# KiCad board Infernum.kicad_pcb
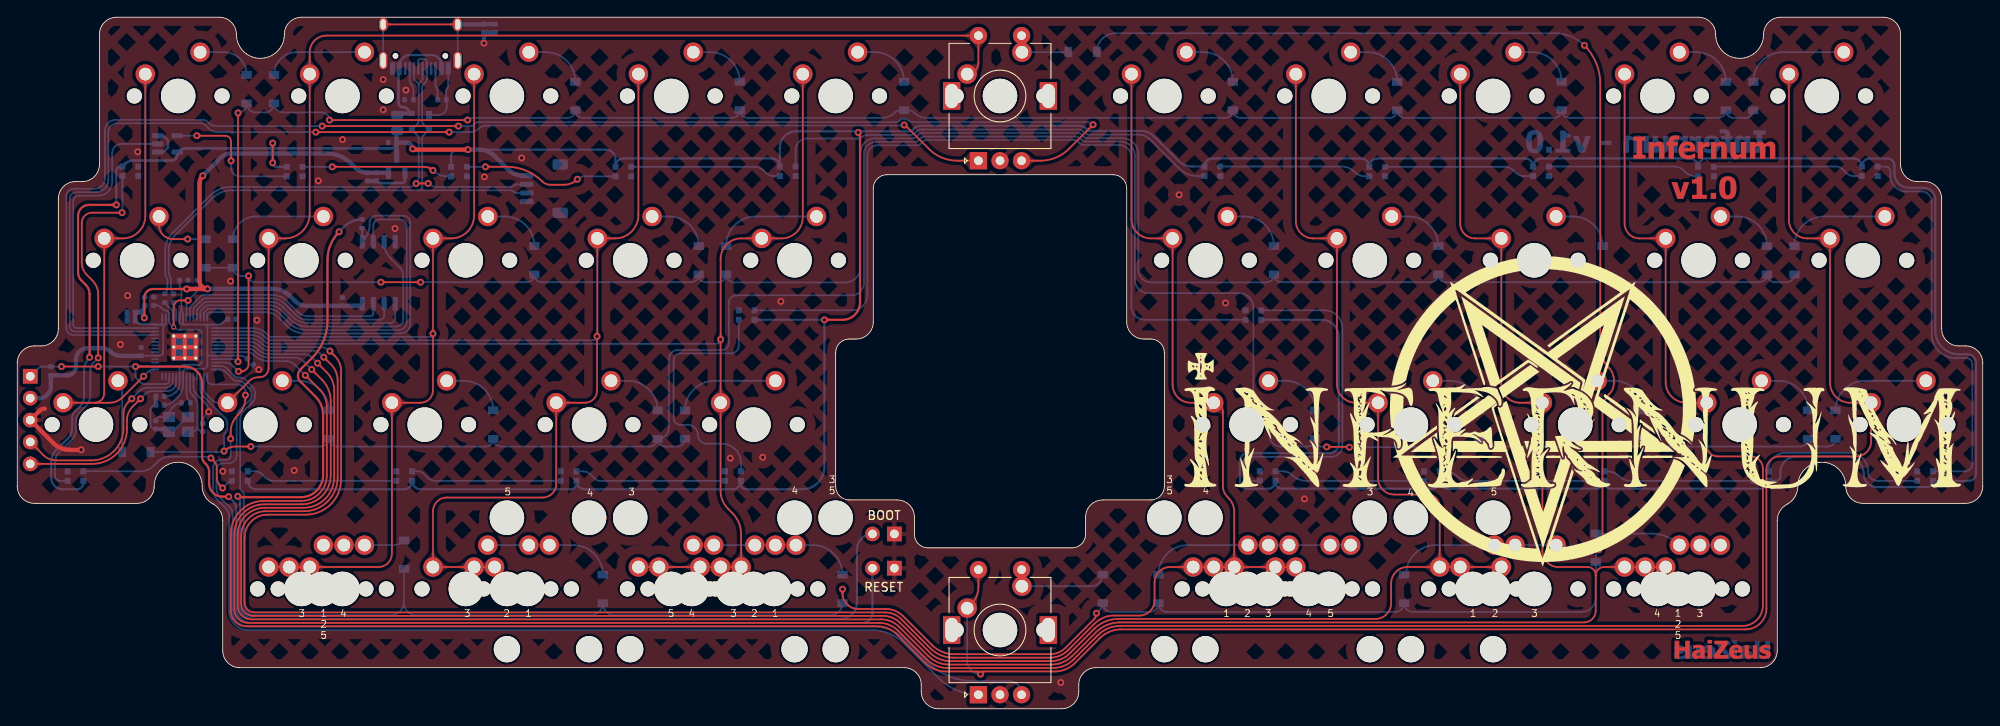
[diagram p0: board, top side]
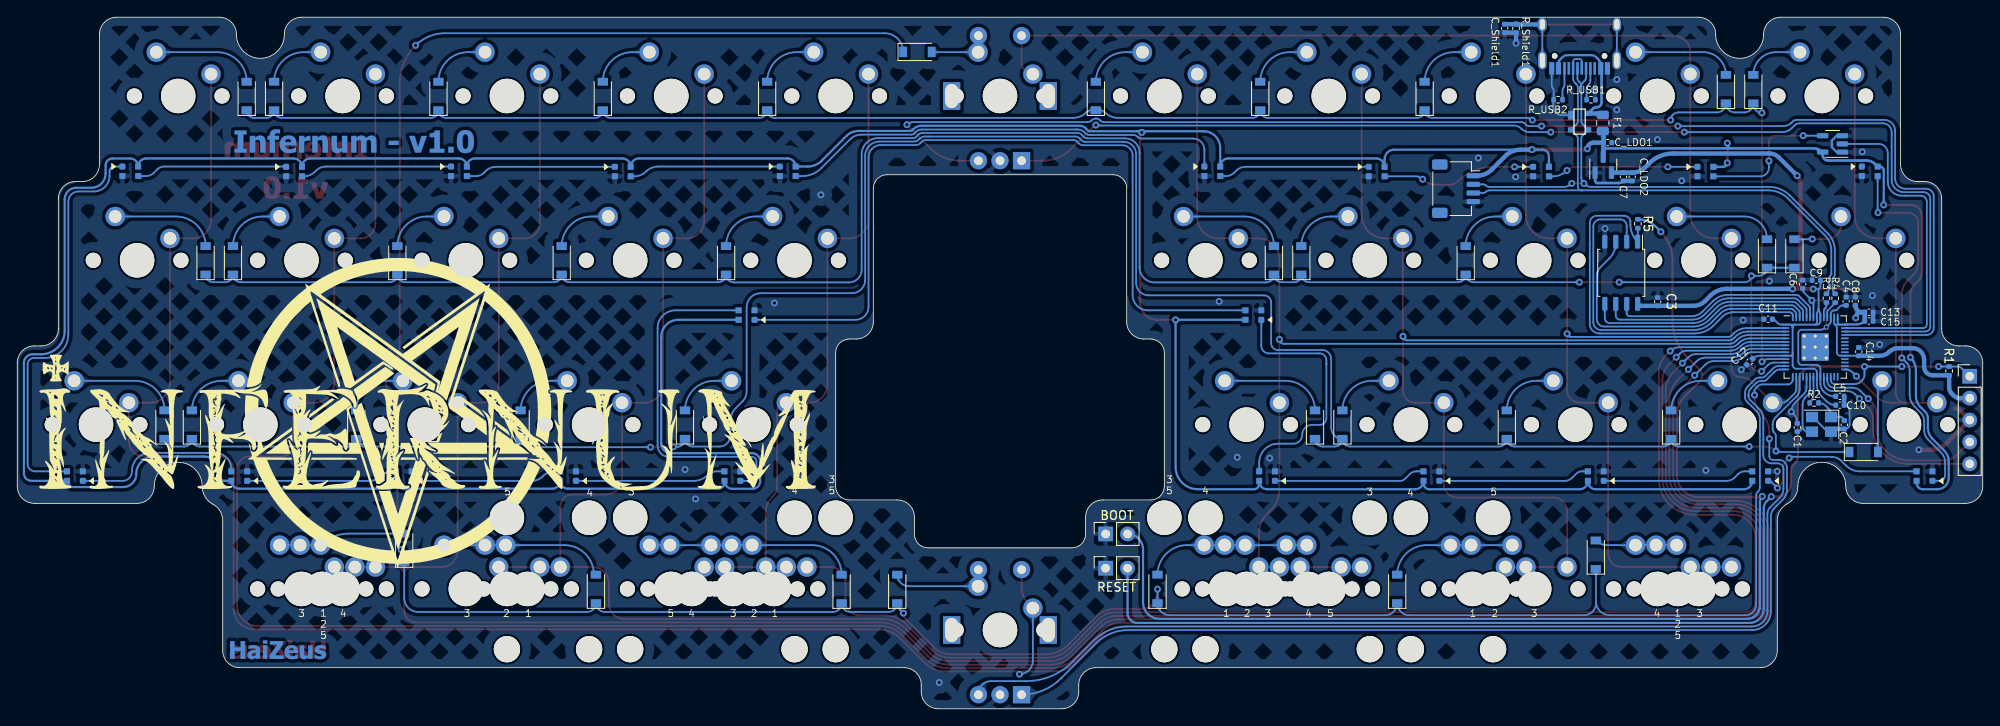
[diagram p1: board, bottom side, seen from below]

Outline 227.81 x 80.17 mm; copper layers: Top, Bottom. Coordinates in mm from the lower left corner of the outline.
Outline path: 0,40.08 arc(0.58,41.49) 1.98,42.07 2.78,42.07 arc(4.18,42.65) 4.76,44.05 4.76,59.13 arc(5.34,60.54) 6.75,61.12 7.54,61.12 arc(8.94,61.7) 9.52,63.1 9.52,78.18 arc(10.11,79.59) 11.51,80.17 23.42,80.17 arc(24.82,79.59) 25.4,78.18 arc(28.18,75.41) 30.96,78.18 arc(31.54,79.59) 32.94,80.17 194.87,80.17 arc(196.27,79.59) 196.85,78.18 arc(199.63,75.41) 202.41,78.18 arc(202.99,79.59) 204.39,80.17 216.3,80.17 arc(217.7,79.59) 218.28,78.18 218.28,63.1 arc(218.86,61.7) 220.27,61.12 221.06,61.12 arc(222.46,60.54) 223.04,59.13 223.04,44.05 arc(223.62,42.65) 225.03,42.07 225.82,42.07 arc(227.23,41.49) 227.81,40.08 227.81,25.8 arc(227.23,24.39) 225.82,23.81 213.92,23.81 arc(212.51,24.39) 211.93,25.8 arc(209.15,28.57) 206.38,25.8 arc(206.05,24.59) 205.15,23.72 arc(204.3,22.93) 203.99,21.83 203.99,6.75 arc(203.41,5.34) 202.01,4.76 125.02,4.76 arc(123.61,4.18) 123.03,2.78 123.03,1.98 arc(122.45,0.58) 121.05,0 106.76,0 arc(105.36,0.58) 104.78,1.98 104.78,2.78 arc(104.19,4.18) 102.79,4.76 25.8,4.76 arc(24.39,5.34) 23.81,6.75 23.81,21.83 arc(23.53,22.91) 22.75,23.72 arc(21.79,24.57) 21.43,25.8 arc(18.65,28.57) 15.88,25.8 arc(15.29,24.39) 13.89,23.81 1.98,23.81 arc(0.58,24.39) 0,25.8 0,40.08 ; 94.85,41.27 94.85,25.8 arc(95.32,24.67) 96.44,24.21 102,24.21 arc(103.4,23.63) 103.98,22.22 103.98,20.24 arc(104.45,19.12) 105.57,18.65 122.24,18.65 arc(123.36,19.12) 123.83,20.24 123.83,22.22 arc(124.41,23.63) 125.81,24.21 131.37,24.21 arc(132.49,24.67) 132.95,25.8 132.95,41.27 arc(132.49,42.4) 131.37,42.86 130.57,42.86 arc(129.17,43.44) 128.59,44.85 128.59,60.32 arc(128.12,61.45) 127,61.91 100.81,61.91 arc(99.68,61.45) 99.22,60.32 99.22,44.85 arc(98.64,43.44) 97.23,42.86 96.44,42.86 arc(95.32,42.4) 94.85,41.27
Stack: Top 0.035mm / dielectric 1.51mm FR4 er 4.5 / Bottom 0.035mm

## Placement (name value [footprint] x y rotation side)
C1  22pF  [C_0402_1005Metric]  21.5 32.61 270 bottom
C2  22pF  [C_0402_1005Metric]  16.04 32.92 90 bottom
C3  100nF  [C_0402_1005Metric]  37.68 47.19 90 bottom
C4  1uF  [C_0402_1005Metric]  15.83 47.24 90 bottom
C5  100nF  [C_0402_1005Metric]  16.54 36.22 180 bottom
C6  100nF  [C_0402_1005Metric]  20.87 49.22 90 bottom
C7  10uF  [C_0402_1005Metric]  41.65 61.67 270 bottom
C8  1uF  [C_0402_1005Metric]  14.77 47.24 90 bottom
C9  100nF  [C_0402_1005Metric]  19.29 49.68 0 bottom
C10  100nF  [C_0402_1005Metric]  16.55 35.2 180 bottom
C11  100nF  [C_0402_1005Metric]  24.88 45.16 0 bottom
C12  100nF  [C_0402_1005Metric]  27.02 40.23 315 bottom
C13  100nF  [C_0402_1005Metric]  13.19 45.97 180 bottom
C14  100nF  [C_0402_1005Metric]  14.37 41.4 90 bottom
C15  100nF  [C_0402_1005Metric]  13.19 44.95 180 bottom
C_LDO1  1uF  [C_0402_1005Metric]  43.48 65.63 180 bottom
C_LDO2  1uF  [C_0402_1005Metric]  40.63 61.67 270 bottom
C_Shield1  4.7n  [C_0402_1005Metric]  55.41 78.89 90 bottom
D1  SOD-123  [D_SOD-123]  26.59 71.83 90 bottom
D2  SOD-123  [D_SOD-123]  29.77 71.83 90 bottom
D3  SOD-123  [D_SOD-123]  64.69 71.04 90 bottom
D4  SOD-123  [D_SOD-123]  83.74 71.04 90 bottom
D5  SOD-123  [D_SOD-123]  102.79 71.04 90 bottom
D6  SOD-123  [D_SOD-123]  123.47 76.15 180 bottom
D7  SOD-123  [D_SOD-123]  140.89 71.04 90 bottom
D8  SOD-123  [D_SOD-123]  159.94 71.04 90 bottom
D9  SOD-123  [D_SOD-123]  178.99 71.04 90 bottom
D10  SOD-123  [D_SOD-123]  198.04 71.04 90 bottom
D11  SOD-123  [D_SOD-123]  201.22 71.04 90 bottom
D12  SOD-123  [D_SOD-123]  21.83 52.78 90 bottom
D13  SOD-123  [D_SOD-123]  25 52.78 90 bottom
D14  SOD-123  [D_SOD-123]  59.93 51.99 90 bottom
D15  SOD-123  [D_SOD-123]  78.98 51.99 90 bottom
D16  SOD-123  [D_SOD-123]  82.15 51.99 90 bottom
D17  SOD-123  [D_SOD-123]  145.65 51.99 90 bottom
D18  SOD-123  [D_SOD-123]  164.7 51.99 90 bottom
D19  SOD-123  [D_SOD-123]  183.75 51.99 90 bottom
D20  SOD-123  [D_SOD-123]  202.8 51.99 90 bottom
D21  SOD-123  [D_SOD-123]  205.98 51.99 90 bottom
D22  SOD-123  [D_SOD-123]  13.8 29.77 180 bottom
D23  SOD-123  [D_SOD-123]  36.12 32.94 90 bottom
D24  SOD-123  [D_SOD-123]  55.17 32.94 90 bottom
D25  SOD-123  [D_SOD-123]  74.22 32.94 90 bottom
D26  SOD-123  [D_SOD-123]  77.39 32.94 90 bottom
D27  SOD-123  [D_SOD-123]  150.42 32.94 90 bottom
D28  SOD-123  [D_SOD-123]  169.47 32.94 90 bottom
D29  SOD-123  [D_SOD-123]  188.52 32.94 90 bottom
D30  SOD-123  [D_SOD-123]  207.57 32.94 90 bottom
D31  SOD-123  [D_SOD-123]  210.74 32.94 90 bottom
D32  SOD-123  [D_SOD-123]  44.85 17.86 90 bottom
D33  SOD-123  [D_SOD-123]  67.87 13.89 90 bottom
D34  SOD-123  [D_SOD-123]  95.65 13.89 90 bottom
D35  SOD-123  [D_SOD-123]  125.81 13.89 90 bottom
D36  SOD-123  [D_SOD-123]  132.26 13.89 90 bottom
D37  SOD-123  [D_SOD-123]  160.73 13.89 90 bottom
D38  SOD-123  [D_SOD-123]  182.96 18.65 90 bottom
D39  WS2812B-2020  [LED_WS2812_2020]  51.2 62.28 0 bottom
D40  WS2812B-2020  [LED_WS2812_2020]  89.3 62.31 0 bottom
D41  WS2812B-2020  [LED_WS2812_2020]  138.51 62.31 0 bottom
D42  WS2812B-2020  [LED_WS2812_2020]  176.61 62.31 0 bottom
D43  WS2812B-2020  [LED_WS2812_2020]  214.71 62.31 0 bottom
D44  WS2812B-2020  [LED_WS2812_2020]  221.12 26.97 180 bottom
D45  WS2812B-2020  [LED_WS2812_2020]  143.27 45.64 180 bottom
D46  WS2812B-2020  [LED_WS2812_2020]  183.02 26.97 180 bottom
D47  WS2812B-2020  [LED_WS2812_2020]  32.15 62.28 0 bottom
D48  WS2812B-2020  [LED_WS2812_2020]  144.92 26.97 180 bottom
D49  WS2812B-2020  [LED_WS2812_2020]  84.53 45.64 180 bottom
D50  WS2812B-2020  [LED_WS2812_2020]  70.25 62.28 0 bottom
D51  WS2812B-2020  [LED_WS2812_2020]  13.1 62.31 0 bottom
D52  WS2812B-2020  [LED_WS2812_2020]  6.75 26.97 180 bottom
D53  WS2812B-2020  [LED_WS2812_2020]  44.85 26.97 180 bottom
D54  WS2812B-2020  [LED_WS2812_2020]  82.95 26.97 180 bottom
D55  WS2812B-2020  [LED_WS2812_2020]  157.62 62.28 0 bottom
D56  WS2812B-2020  [LED_WS2812_2020]  195.72 62.28 0 bottom
D57  WS2812B-2020  [LED_WS2812_2020]  25.8 26.97 180 bottom
D58  WS2812B-2020  [LED_WS2812_2020]  63.9 26.97 180 bottom
D59  WS2812B-2020  [LED_WS2812_2020]  163.97 26.97 180 bottom
D60  WS2812B-2020  [LED_WS2812_2020]  202.07 26.97 180 bottom
F1  500mA  [Fuse_0805_2012Metric]  44.03 67.92 270 bottom
G***  LOGO  [F.Mask_layer2]  113.9 42.47 0 top
G***#2  LOGO  [B.Cu_g396]  113.9 42.47 0 top
G***#3  LOGO  [B.Mask_g3633]  113.9 42.47 0 top
G***#4  LOGO  [F.SilkS_g3529]  247.25 42.47 0 top
G***#5  LOGO  [F.Cu_g386]  113.9 42.47 0 top
G***#6  LOGO  [B.SilkS_layer1]  247.25 43.26 0 top
J1  SWD  [PinHeader_1x05_P2.54mm_Vertical]  1.51 38.55 180 bottom
J2  SM04B  [JST_SH_SM04B-SRSS-TB_1x04-1MP_P1.00mm_Horizontal]  61.05 60.3 270 bottom
MX1  MX-NoLED  [MXOnly-1U-NoLED]  18.65 71.04 0 top
MX2  MX-NoLED  [MXOnly-1U-NoLED]  37.7 71.04 0 top
MX3  MX-NoLED  [MXOnly-1U-NoLED]  56.75 71.04 0 top
MX4  MX-NoLED  [MXOnly-1U-NoLED]  75.8 71.04 0 top
MX5  MX-NoLED  [MXOnly-1U-NoLED]  94.85 71.04 0 top
MX6  MX-NoLED  [MXOnly-1U-NoLED]  113.9 71.04 0 top
MX7  MX-NoLED  [MXOnly-1U-NoLED]  132.95 71.04 0 top
MX8  MX-NoLED  [MXOnly-1U-NoLED]  152 71.04 0 top
MX9  MX-NoLED  [MXOnly-1U-NoLED]  171.05 71.04 0 top
MX10  MX-NoLED  [MXOnly-1U-NoLED]  190.1 71.04 0 top
MX11  MX-NoLED  [MXOnly-1U-NoLED]  209.15 71.04 0 top
MX12  MX-NoLED  [MXOnly-1U-NoLED]  13.89 51.99 0 top
MX13  MX-NoLED  [MXOnly-1U-NoLED]  32.94 51.99 0 top
MX14  MX-NoLED  [MXOnly-1U-NoLED]  51.99 51.99 0 top
MX15  MX-NoLED  [MXOnly-1U-NoLED]  71.04 51.99 0 top
MX16  MX-NoLED  [MXOnly-1U-NoLED]  90.09 51.99 0 top
MX17  MX-NoLED  [MXOnly-1U-NoLED]  137.72 51.99 0 top
MX18  MX-NoLED  [MXOnly-1U-NoLED]  156.77 51.99 0 top
MX19  MX-NoLED  [MXOnly-1U-NoLED]  175.82 51.99 0 top
MX20  MX-NoLED  [MXOnly-1U-NoLED]  194.87 51.99 0 top
MX21  MX-NoLED  [MXOnly-1U-NoLED]  213.92 51.99 0 top
MX22  MX-NoLED  [MXOnly-1U-NoLED]  9.13 32.94 0 top
MX23  MX-NoLED  [MXOnly-1U-NoLED]  28.18 32.94 0 top
MX24  MX-NoLED  [MXOnly-1U-NoLED]  47.23 32.94 0 top
MX25  MX-NoLED  [MXOnly-1U-NoLED]  66.28 32.94 0 top
MX26  MX-NoLED  [MXOnly-1U-NoLED]  85.33 32.94 0 top
MX27  MX-NoLED  [MXOnly-1U-NoLED]  142.48 32.94 0 top
MX28  MX-NoLED  [MXOnly-1U-NoLED]  161.53 32.94 0 top
MX29  MX-NoLED  [MXOnly-1U-NoLED]  180.58 32.94 0 top
MX30  MX-NoLED  [MXOnly-1U-NoLED]  199.63 32.94 0 top
MX31  MX-NoLED  [MXOnly-1U-NoLED]  218.68 32.94 0 top
MX32  MX-NoLED  [MXOnly-1.25U-NoLED]  35.32 13.89 0 top
MX33  MX-NoLED  [MXOnly-1.25U-NoLED]  59.13 13.89 0 top
MX34  MX-NoLED  [MXOnly-1.75U-NoLED]  87.71 13.89 0 top
MX35  MX-NoLED  [MXOnly-1U-NoLED]  113.9 9.13 0 top
MX36  MX-NoLED  [MXOnly-1.75U-NoLED]  140.1 13.89 0 top
MX37  MX-NoLED  [MXOnly-1.25U-NoLED]  168.67 13.89 0 top
MX38  MX-NoLED  [MXOnly-1.25U-NoLED]  192.48 13.89 0 top
MX39  MX-NoLED  [MXOnly-1U-NoLED]  56.75 13.89 0 top
MX40  MX-NoLED  [MXOnly-2U-ReversedStabilizers-NoLED]  85.33 13.89 0 top
MX41  MX-NoLED  [MXOnly-2U-ReversedStabilizers-NoLED]  142.48 13.89 0 top
MX42  MX-NoLED  [MXOnly-1U-NoLED]  171.05 13.89 0 top
MX43  MX-NoLED  [MXOnly-1U-NoLED]  32.94 13.89 0 top
MX44  MX-NoLED  [MXOnly-1U-NoLED]  51.99 13.89 0 top
MX45  MX-NoLED  [MXOnly-2.25U-ReversedStabilizers-NoLED]  82.95 13.89 0 top
MX46  MX-NoLED  [MXOnly-2.25U-ReversedStabilizers-NoLED#2]  144.86 13.89 0 top
MX47  MX-NoLED  [MXOnly-1U-NoLED]  175.82 13.89 0 top
MX48  MX-NoLED  [MXOnly-1U-NoLED]  194.87 13.89 0 top
MX49  MX-NoLED  [MXOnly-1.5U-NoLED]  37.7 13.89 0 top
MX50  MX-NoLED  [MXOnly-2.75U-ReversedStabilizers-NoLED]  78.18 13.89 0 top
MX51  MX-NoLED  [MXOnly-2.75U-ReversedStabilizers-NoLED]  149.62 13.89 0 top
MX52  MX-NoLED  [MXOnly-1.5U-NoLED]  190.1 13.89 0 top
MX53  MX-NoLED  [MXOnly-3U-ReversedStabilizers-NoLED]  75.8 13.89 0 top
MX54  MX-NoLED  [MXOnly-3U-ReversedStabilizers-NoLED]  152 13.89 0 top
R1  1k  [R_0402_1005Metric]  3.9 39.16 90 bottom
R2  1k  [R_0402_1005Metric]  19.55 35.46 0 bottom
R3  27  [R_0402_1005Metric]  18.12 47.6 270 bottom
R4  27  [R_0402_1005Metric]  17.1 47.6 270 bottom
R5  1k  [R_0402_1005Metric]  39.97 56.23 270 bottom
R_Shield1  1M  [R_0402_1005Metric]  54.09 78.89 270 bottom
R_USB1  5.1k  [R_0402_1005Metric]  45.41 70.61 180 bottom
R_USB2  5.1k  [R_0402_1005Metric]  49.22 70.61 0 bottom
SW1  RotaryEncoder_Switch  [RotaryEncoder_Alps_EC11E-Switch_Vertical_H20mm]  111.4 63.54 90 top
SW2  RotaryEncoder_Switch  [RotaryEncoder_Alps_EC11E-Switch_Vertical_H20mm]  111.4 1.63 90 top
SW3  USB_Boot  [PinSocket_1x02_P2.54mm_Vertical]  101.66 20.27 90 bottom
SW4  Reset  [PinSocket_1x02_P2.54mm_Vertical]  101.66 16.3 90 bottom
U1  W25Q128JVS  [SOIC-8_5.23x5.23mm_P1.27mm]  41.9 50.54 270 bottom
U2  RP2040  [RP2040-QFN-56]  19.42 41.93 180 bottom
U3  XC6206PxxxMR  [SOT-23]  43.98 63.09 90 bottom
U4  PRTR5V0U2X  [SOT143B]  46.73 68.07 180 bottom
U5  74AHCT1G125  [SOT-23-5]  17.41 65.48 0 bottom
USB1  HRO-TYPE-C-31-M-12  [HRO-TYPE-C-31-M-12-Assembly]  46.73 81.94 0 bottom
Y1  12MHz  [Crystal_SMD_3225-4Pin_3.2x2.5mm]  18.68 32.97 0 bottom

## Library data of the parts
C1-C15 C_LDO1 C_LDO2 C_Shield1 = -: Description: Unpolarized capacitor, small symbol
D1-D38 = -: Description: Diode, small symbol
F1 = -: Description: Resettable fuse, polymeric positive temperature coefficient, small symbol
J1 = -: Description: Generic connector, single row, 01x05, script generated (kicad-library-utils/schlib/autogen/connector/)
J2 = -: Description: Generic connector, single row, 01x04, script generated (kicad-library-utils/schlib/autogen/connector/)
R1-R5 R_Shield1 R_USB1 R_USB2 = -: Description: Resistor, small symbol
SW1 SW2 = -: Description: Rotary encoder, dual channel, incremental quadrate outputs, with switch
SW3 SW4 = -: Description: Push button switch, generic, two pins
U1 = -: Description: 128Mb Serial Flash Memory, Standard/Dual/Quad SPI, SOIC-8
U3 = -: Description: Positive 60-250mA Low Dropout Regulator, Fixed Output, SOT-23
U5 = -: Description: Single Buffer Gate Tri-State, Low-Voltage CMOS
Y1 = -: Description: Four pin crystal, GND on pins 2 and 4, small symbol

## Footprints (pads in the part's own frame, mm; a bottom-side part is the same pattern mirrored in y, then rotated)
C_0402_1005Metric
  rrect 0.56x0.62 smd: 1(-0.48,0) 2(0.48,0)
Crystal_SMD_3225-4Pin_3.2x2.5mm
  rect 1.4x1.2 smd: 1(-1.1,-0.85) 2(1.1,-0.85) 3(1.1,0.85) 4(-1.1,0.85)
D_SOD-123
  rect 0.9x1.2 smd: 1(-1.65,0) 2(1.65,0)
Fuse_0805_2012Metric
  rrect 0.975x1.4 smd: 1(-0.938,0) 2(0.938,0)
HRO-TYPE-C-31-M-12-Assembly
  round 0.65 hole 0.65 unplated: (-2.89,6.25) (2.89,6.25)
  rect 0.6x1.45 smd: 1(-3.225,7.695) 2(-2.45,7.695) 11(2.45,7.695) 12(3.225,7.695)
  rect 0.3x1.45 smd: 3(-1.75,7.695) 4(-1.25,7.695) 5(-0.75,7.695) 6(-0.25,7.695) 7(0.25,7.695) 8(0.75,7.695) 9(1.25,7.695) 10(1.75,7.695)
  oval 1x1.6 hole 0.6x1.2: 13(-4.32,2.6) 13(4.32,2.6)
  oval 1x2.1 hole 0.6x1.7: 13(-4.32,6.78) 13(4.32,6.78)
JST_SH_SM04B-SRSS-TB_1x04-1MP_P1.00mm_Horizontal
  rrect 0.6x1.55 smd: 1(-1.5,2) 2(-0.5,2) 3(0.5,2) 4(1.5,2)
  rrect 1.2x1.8 smd: MP(-2.8,-1.875) MP(2.8,-1.875)
LED_WS2812_2020
  rrect 0.7x0.7 smd: 1(0.915,-0.55)
  rect 0.7x0.7 smd: 2(0.915,0.55) 3(-0.915,0.55) 4(-0.915,-0.55)
MXOnly-1.5U-NoLED
  round 1.75 hole 1.75 unplated: (-5.08,0) (5.08,0)
  round 3.988 hole 3.988 unplated: (0,0)
  round 2.25 hole 1.47: 1(-3.81,2.54) 2(2.54,5.08)
MXOnly-1.25U-NoLED
  round 1.75 hole 1.75 unplated: (-5.08,0) (5.08,0)
  round 3.988 hole 3.988 unplated: (0,0)
  round 2.25 hole 1.47: 1(-3.81,2.54) 2(2.54,5.08)
MXOnly-1.75U-NoLED
  round 1.75 hole 1.75 unplated: (-5.08,0) (5.08,0)
  round 3.988 hole 3.988 unplated: (0,0)
  round 2.25 hole 1.47: 1(-3.81,2.54) 2(2.54,5.08)
MXOnly-1U-NoLED
  round 1.75 hole 1.75 unplated: (-5.08,0) (5.08,0)
  round 3.988 hole 3.988 unplated: (0,0)
  round 2.25 hole 1.47: 1(-3.81,2.54) 2(2.54,5.08)
MXOnly-2.25U-ReversedStabilizers-NoLED
  round 3.988 hole 3.988 unplated: (-11.906,8.255) (0,0)
  round 3.048 hole 3.048 unplated: (-11.906,-6.985)
  round 1.75 hole 1.75 unplated: (-5.08,0) (5.08,0)
  round 2.25 hole 1.47: 1(-3.81,2.54) 2(2.54,5.08)
MXOnly-2.25U-ReversedStabilizers-NoLED#2
  round 1.75 hole 1.75 unplated: (-5.08,0) (5.08,0)
  round 3.988 hole 3.988 unplated: (0,0) (11.906,8.255)
  round 3.048 hole 3.048 unplated: (11.906,-6.985)
  round 2.25 hole 1.47: 1(-3.81,2.54) 2(2.54,5.08)
MXOnly-2.75U-ReversedStabilizers-NoLED
  round 3.988 hole 3.988 unplated: (-11.906,8.255) (0,0) (11.906,8.255)
  round 3.048 hole 3.048 unplated: (-11.906,-6.985) (11.906,-6.985)
  round 1.75 hole 1.75 unplated: (-5.08,0) (5.08,0)
  round 2.25 hole 1.47: 1(-3.81,2.54) 2(2.54,5.08)
MXOnly-2U-ReversedStabilizers-NoLED
  round 1.75 hole 1.75 unplated: (-5.08,0) (5.08,0)
  round 3.988 hole 3.988 unplated: (0,0)
  round 2.25 hole 1.47: 1(-3.81,2.54) 2(2.54,5.08)
MXOnly-3U-ReversedStabilizers-NoLED
  round 3.988 hole 3.988 unplated: (-19.05,8.255) (0,0) (19.05,8.255)
  round 3.048 hole 3.048 unplated: (-19.05,-6.985) (19.05,-6.985)
  round 1.75 hole 1.75 unplated: (-5.08,0) (5.08,0)
  round 2.25 hole 1.47: 1(-3.81,2.54) 2(2.54,5.08)
PinHeader_1x05_P2.54mm_Vertical
  rect 1.7x1.7 hole 1: 1(0,0)
  oval 1.7x1.7 hole 1: 2(0,-2.54) 3(0,-5.08) 4(0,-7.62) 5(0,-10.16)
PinSocket_1x02_P2.54mm_Vertical
  rect 1.7x1.7 hole 1: 1(0,0)
  oval 1.7x1.7 hole 1: 2(0,-2.54)
R_0402_1005Metric
  rrect 0.54x0.64 smd: 1(-0.51,0) 2(0.51,0)
RotaryEncoder_Alps_EC11E-Switch_Vertical_H20mm
  rect 2x2 hole 1: A(0,0)
  round 2 hole 1: B(0,-5) C(0,-2.5) S1(14.5,-5) S2(14.5,0)
  rect 3.2x2 hole 2.8x1.5: MP(7.5,3.1) MP(7.5,-8.1)
RP2040-QFN-56
  rrect 1.084x1.084 smd: (-0.637,-0.637) (-0.637,0.637) (0.637,-0.637) (0.637,0.637)
  rrect 0.875x0.2 smd: 1(-3.438,2.6) 2(-3.438,2.2) 3(-3.438,1.8) 4(-3.438,1.4) 5(-3.438,1) 6(-3.438,0.6) 7(-3.438,0.2) 8(-3.438,-0.2) 9(-3.438,-0.6) 10(-3.438,-1) 11(-3.438,-1.4) 12(-3.438,-1.8) 13(-3.438,-2.2) 14(-3.438,-2.6) 29(3.438,-2.6) 30(3.438,-2.2) 31(3.438,-1.8) 32(3.438,-1.4) 33(3.438,-1) 34(3.438,-0.6) 35(3.438,-0.2) 36(3.438,0.2) 37(3.438,0.6) 38(3.438,1) 39(3.438,1.4) 40(3.438,1.8) 41(3.438,2.2) 42(3.438,2.6)
  rrect 0.2x0.875 smd: 15(-2.6,-3.438) 16(-2.2,-3.438) 17(-1.8,-3.438) 18(-1.4,-3.438) 19(-1,-3.438) 20(-0.6,-3.438) 21(-0.2,-3.438) 22(0.2,-3.438) 23(0.6,-3.438) 24(1,-3.438) 25(1.4,-3.438) 26(1.8,-3.438) 27(2.2,-3.438) 28(2.6,-3.438) 43(2.6,3.438) 44(2.2,3.438) 45(1.8,3.438) 46(1.4,3.438) 47(1,3.438) 48(0.6,3.438) 49(0.2,3.438) 50(-0.2,3.438) 51(-0.6,3.438) 52(-1,3.438) 53(-1.4,3.438) 54(-1.8,3.438) 55(-2.2,3.438) 56(-2.6,3.438)
  round 0.6 hole 0.35: 57(-1.275,-1.275) 57(-1.275,0) 57(-1.275,1.275) 57(0,-1.275) 57(0,0) 57(0,1.275) 57(1.275,-1.275) 57(1.275,0) 57(1.275,1.275)
  rrect 3.2x3.2 smd: 57(0,0)
SOIC-8_5.23x5.23mm_P1.27mm
  rrect 1.6x0.6 smd: 1(-3.6,1.905) 2(-3.6,0.635) 3(-3.6,-0.635) 4(-3.6,-1.905) 5(3.6,-1.905) 6(3.6,-0.635) 7(3.6,0.635) 8(3.6,1.905)
SOT143B
  rect 0.7x1 smd: 1(-1,0.75)
  rect 0.7x0.6 smd: 2(-1,-0.95) 3(1,-0.95) 4(1,0.95)
SOT-23
  rrect 1.475x0.6 smd: 1(-0.938,0.95) 2(-0.938,-0.95) 3(0.938,0)
SOT-23-5
  rrect 1.325x0.6 smd: 1(-1.137,0.95) 2(-1.137,0) 3(-1.137,-0.95) 4(1.137,-0.95) 5(1.137,0.95)

## Nets
+1V1: C4.1 C5.1 C6.1 U2.23 U2.45 U2.50
+3V3: C3.1 C7.1 C8.1 C9.1 C10.1 C11.1 C12.1 C13.1 C14.1 C15.1 C_LDO2.1 J1.2 R1.1 U1.8 U2.1 U2.10 U2.22 U2.33 U2.42 U2.43 U2.44 U2.48 U2.49 U3.2
+5V: C_LDO1.1 D39.4 D40.4 D41.4 D42.4 D43.4 D44.4 D45.4 D46.4 D47.4 D48.4 D49.4 D50.4 D51.4 D52.4 D53.4 D54.4 D55.4 D56.4 D57.4 D58.4 D59.4 D60.4 F1.2 J2.1 U3.3 U5.5
GND: C1.1 C2.1 C3.2 C4.2 C5.2 C6.2 C7.2 C8.2 C9.2 C10.2 C11.2 C12.2 C13.2 C14.2 C15.2 C_LDO1.2 C_LDO2.2 C_Shield1.1 D39.2 D40.2 D41.2 D42.2 D43.2 D44.2 D45.2 D46.2 D47.2 D48.2 D49.2 D50.2 D51.2 D52.2 D53.2 D54.2 D55.2 D56.2 D57.2 D58.2 D59.2 D60.2 J1.3 J2.4 R_Shield1.2 R_USB1.2 R_USB2.2 SW1.C SW2.C SW3.1 SW4.1 U1.4 U2.19 U2.57 U3.1 U4.1 U5.1 U5.3 USB1.1 USB1.12 Y1.2 Y1.4
GNDREF: C_Shield1.2 R_Shield1.1 USB1.13
VCC: F1.1 U4.4 USB1.2 USB1.11
Col 0: MX1.1 MX12.1 MX22.1 U2.29
Col 1: MX2.1 MX6.1 MX13.1 MX23.1 SW1.S2 U2.16
Col 2: MX3.1 MX14.1 MX24.1 MX32.1 MX43.1 MX49.1 U2.2
Col 3: MX4.1 MX15.1 MX25.1 MX33.1 MX39.1 MX44.1 U2.3
Col 4: MX5.1 MX16.1 MX26.1 MX34.1 MX40.1 MX45.1 MX50.1 MX53.1 U2.4
Col 5: MX7.1 MX17.1 MX27.1 MX36.1 MX41.1 MX46.1 MX51.1 MX54.1 U2.5
Col 6: MX8.1 MX18.1 MX28.1 MX37.1 MX42.1 MX47.1 U2.6
Col 7: MX9.1 MX19.1 MX29.1 MX38.1 MX48.1 MX52.1 U2.7
Col 8: MX10.1 MX20.1 MX30.1 U2.8
Col 9: MX11.1 MX21.1 MX31.1 MX35.1 SW2.S2 U2.9
CS: R5.2 U1.1 U2.56
D+: J2.3 R3.1 U4.2 USB1.6 USB1.8
D-: J2.2 R4.1 U4.3 USB1.5 USB1.7
enc1A: SW1.A U2.40
enc1B: SW1.B U2.39
enc2A: SW2.A U2.15
enc2B: SW2.B U2.14
QSPI_CLK: U1.6 U2.52
RESET: J1.1 R1.2 SW4.2 U2.26
RGB: D47.3 U5.4
RGBLED: U2.41 U5.2
Row 0: D1.1 D2.1 D3.1 D4.1 D5.1 D7.1 D8.1 D9.1 D10.1 D11.1 U2.11
Row 1: D12.1 D13.1 D14.1 D15.1 D16.1 D17.1 D18.1 D19.1 D20.1 D21.1 U2.12
Row 2: D22.1 D23.1 D24.1 D25.1 D26.1 D27.1 D28.1 D29.1 D30.1 D31.1 U2.17
Row 3: D6.1 D32.1 D33.1 D34.1 D35.1 D36.1 D37.1 D38.1 U2.13
SD0: U1.5 U2.53
SD1: U1.2 U2.55
SD2: U1.3 U2.54
SD3: U1.7 U2.51
SWCLK: J1.5 U2.24
SWDIO: J1.4 U2.25
XTAL_IN: C1.2 U2.20 Y1.3
XTAL_OUT: R2.2 U2.21
Net-(C2-Pad2): C2.2 R2.1 Y1.1
Net-(D1-A): D1.2 MX1.2
Net-(D2-A): D2.2 MX2.2
Net-(D3-A): D3.2 MX3.2
Net-(D4-A): D4.2 MX4.2
Net-(D5-A): D5.2 MX5.2
Net-(D6-A): D6.2 MX6.2 SW1.S1
Net-(D7-A): D7.2 MX7.2
Net-(D8-A): D8.2 MX8.2
Net-(D9-A): D9.2 MX9.2
Net-(D10-A): D10.2 MX10.2
Net-(D11-A): D11.2 MX11.2
Net-(D12-A): D12.2 MX12.2
Net-(D13-A): D13.2 MX13.2
Net-(D14-A): D14.2 MX14.2
Net-(D15-A): D15.2 MX15.2
Net-(D16-A): D16.2 MX16.2
Net-(D17-A): D17.2 MX17.2
Net-(D18-A): D18.2 MX18.2
Net-(D19-A): D19.2 MX19.2
Net-(D20-A): D20.2 MX20.2
Net-(D21-A): D21.2 MX21.2
Net-(D22-A): D22.2 MX22.2
Net-(D23-A): D23.2 MX23.2
Net-(D24-A): D24.2 MX24.2
Net-(D25-A): D25.2 MX25.2
Net-(D26-A): D26.2 MX26.2
Net-(D27-A): D27.2 MX27.2
Net-(D28-A): D28.2 MX28.2
Net-(D29-A): D29.2 MX29.2
Net-(D30-A): D30.2 MX30.2
Net-(D31-A): D31.2 MX31.2
Net-(D32-A): D32.2 MX32.2 MX43.2 MX49.2
Net-(D33-A): D33.2 MX33.2 MX39.2 MX44.2
Net-(D34-A): D34.2 MX34.2 MX40.2 MX45.2 MX50.2 MX53.2
Net-(D35-A): D35.2 MX35.2 SW2.S1
Net-(D36-A): D36.2 MX36.2 MX41.2 MX46.2 MX51.2 MX54.2
Net-(D37-A): D37.2 MX37.2 MX42.2 MX47.2
Net-(D38-A): D38.2 MX38.2 MX48.2 MX52.2
Net-(D39-DIN): D39.3 D47.1
Net-(D39-DOUT): D39.1 D50.3
Net-(D40-DIN): D40.3 D50.1
Net-(D40-DOUT): D40.1 D41.3
Net-(D41-DOUT): D41.1 D55.3
Net-(D42-DIN): D42.3 D55.1
Net-(D42-DOUT): D42.1 D56.3
Net-(D43-DIN): D43.3 D56.1
Net-(D43-DOUT): D43.1 D44.3
Net-(D44-DOUT): D44.1 D60.3
Net-(D45-DIN): D45.3 D48.1
Net-(D45-DOUT): D45.1 D49.3
Net-(D46-DIN): D46.3 D60.1
Net-(D46-DOUT): D46.1 D59.3
Net-(D48-DIN): D48.3 D59.1
Net-(D49-DOUT): D49.1 D54.3
Net-(D51-DIN): D51.3 D52.1
Net-(D52-DIN): D52.3 D57.1
Net-(D53-DIN): D53.3 D58.1
Net-(D53-DOUT): D53.1 D57.3
Net-(D54-DOUT): D54.1 D58.3
Net-(R5-Pad1): R5.1 SW3.2
Net-(U2-D+): R3.2 U2.47
Net-(U2-D-): R4.2 U2.46
Net-(USB1-CC1): R_USB1.1 USB1.4
Net-(USB1-CC2): R_USB2.1 USB1.10

Pads without a net: D51 1; J2 MP; SW1 MP; SW2 MP; U2 18 27 28 30 31 32 34 35 36 37 38; USB1 3 9

## Via types
v1: diameter 0.8, hole 0.4, Top to Bottom, 95 vias
v2: diameter 0.6, hole 0.35, Top to Bottom, 1 via
